# Allegro board 08_038702e.brd (continued)
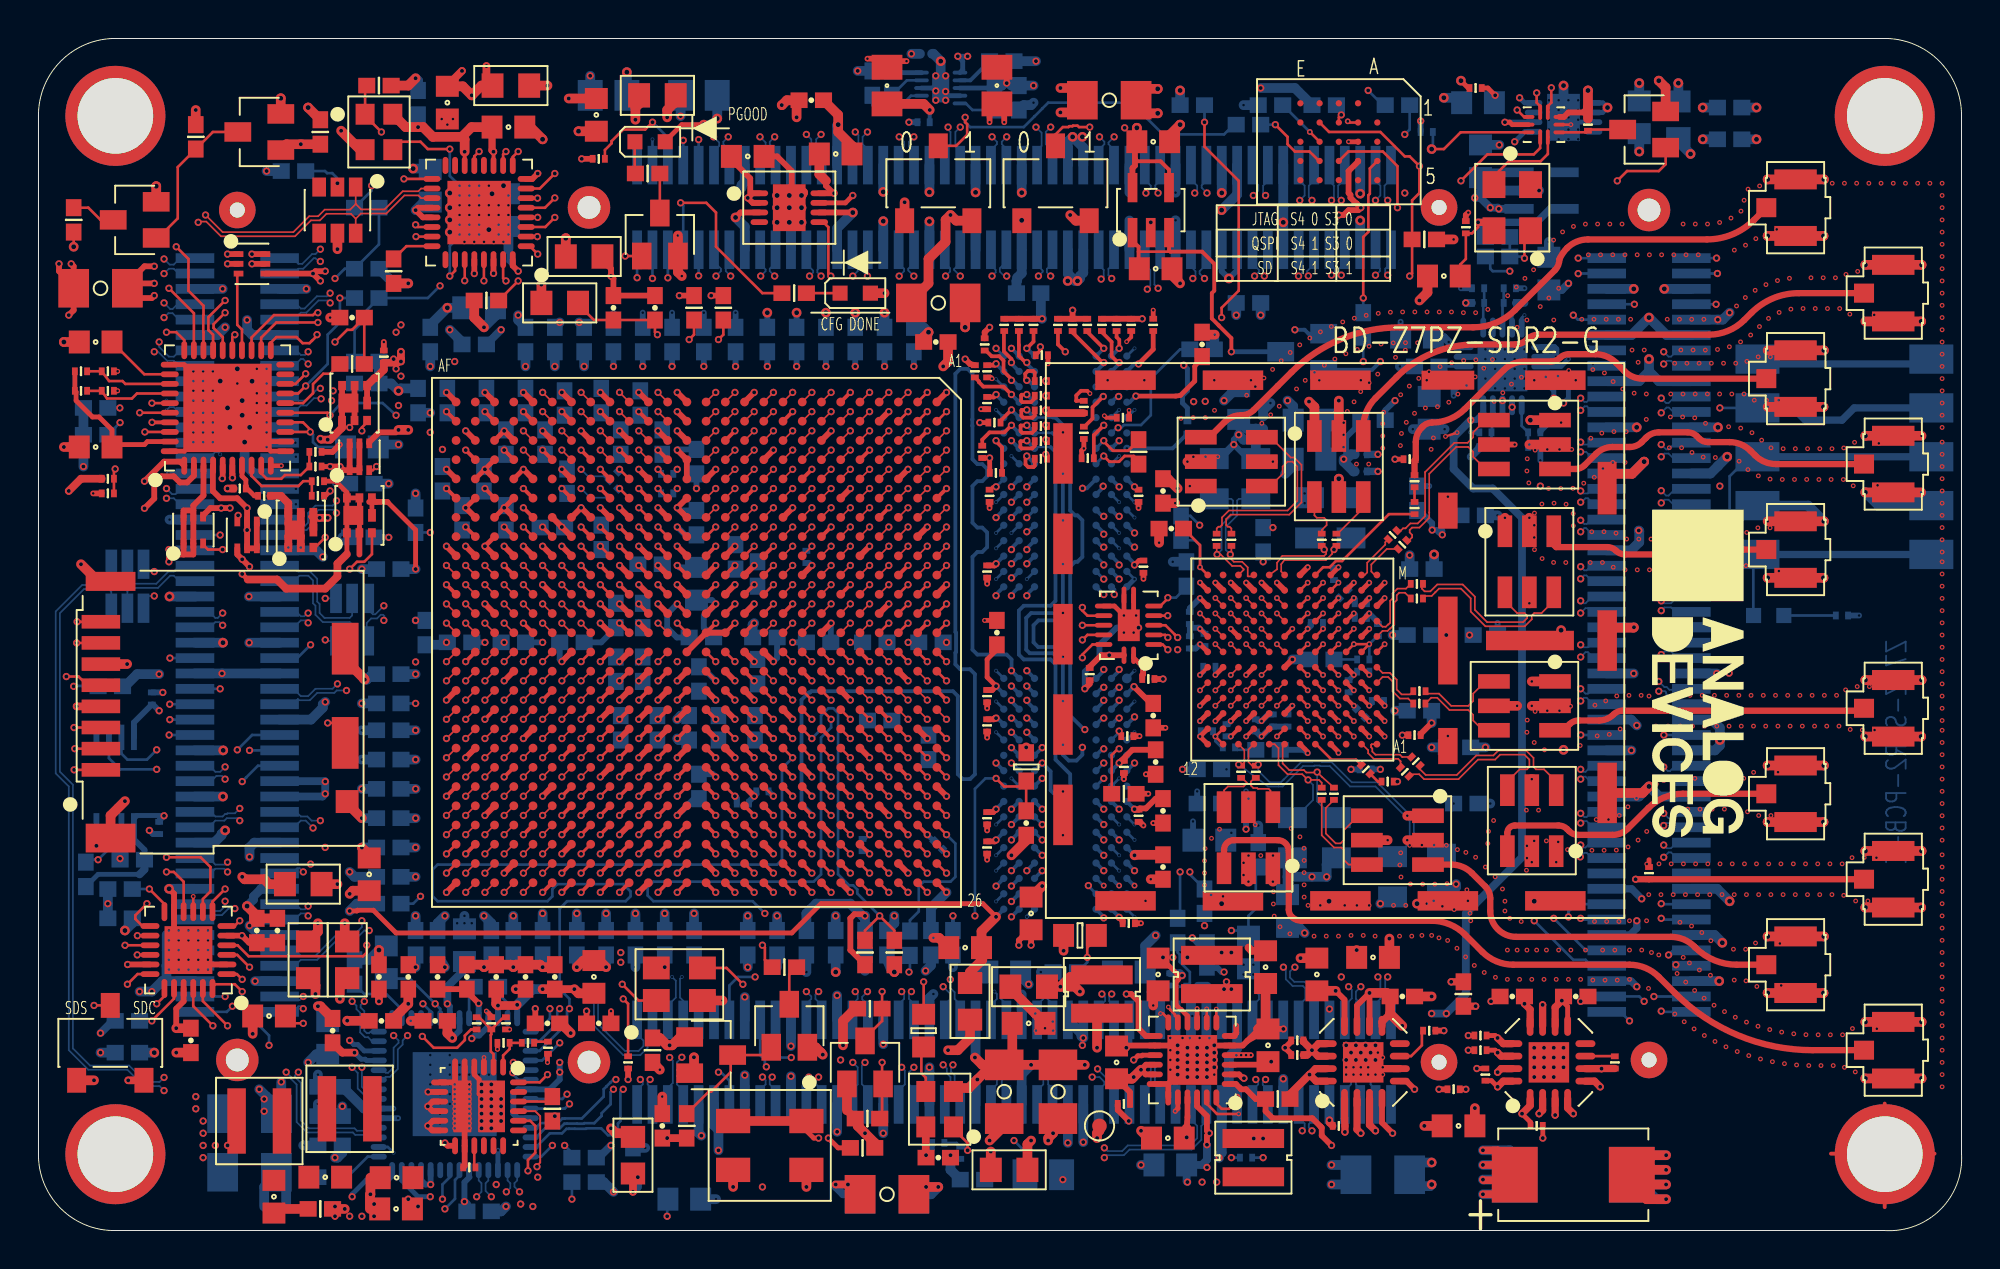
[diagram p0: board, top side]
## Routing (per net, layer and track width the routed paths; a pad name or vN(x,y) marks a point on that pad's centre or on a via; arc(x,y) is an arc through that point) (continued)

## Copper pours and planes (outline as drawn; the poured copper is in the pictures)
0.95V on TOP: 10.72,7.47 10.72,3.28 8.31,3.28 8.31,5.95 8.18,6.08 7.55,6.08 7.55,7.47
0.95V on BOTTOM: 10.34,7.47 10.34,2.01 7.55,2.01 7.55,7.47
0.95V on L9_POWER: 27.61,36.81 29.14,34.53 51.49,34.53 52.88,33.13 52.88,26.14 53.01,26.14 55.93,23.22 62.03,23.22 64.95,20.3 64.95,17.63 63.68,16.36 61.52,16.36 61.14,15.98 59.74,15.98 58.73,14.97 58.09,14.97 55.3,12.17 52.25,12.17 51.87,11.79 49.96,11.79 48.44,10.27 30.91,10.27 28.63,7.98 28.63,6.84 28.37,6.59 21.01,6.59 16.56,2.14 15.8,2.14 14.4,0.74 8.94,0.74 7.04,2.65 7.04,4.93 3.74,8.24 2.97,8.24 0.56,10.65 0.56,41 1.45,41.89 5.51,41.89 6.4,41 6.4,38.84 5.13,37.57 5.13,37.07 5.64,36.56 5.64,33.13 6.78,31.99 15.17,31.99 20.12,36.94 24.31,37.32 27.23,37.07 27.48,36.94 ; 1 cut-out
0.95V on L12_POWER: 6.53,0.62 6.28,1.25 6.28,5.06 4.5,6.84 1.58,6.84 0.56,7.86 0.56,51.8 1.96,53.19 6.53,53.19 8.31,51.42 8.31,34.78 5.77,32.24 5.77,18.65 6.66,17.76 16.56,17.76 18.98,15.35 31.42,15.35 34.34,12.43 37.39,12.43 41.2,8.62 53.01,8.62 53.77,9.38 53.77,11.28 52.88,12.17 51.23,12.17 50.98,12.43 50.98,13.44 51.23,13.7 56.82,13.7 57.58,14.46 57.58,16.49 61.27,20.17 63.68,20.17 63.74,20.11 81.65,20.11 83.87,17.89 83.87,1.76 82.73,0.62 16.56,0.62 15.93,1.25 15.17,1.25 14.53,0.62 ; 7 cut-outs
1.0V on TOP: 52,12.05 54.03,12.05 54.92,12.94 56.82,12.94 57.58,13.57 58.6,13.57 59.11,12.81 59.49,13.32 59.11,13.95 59.11,14.33 58.85,14.59 52.76,14.59 52,13.82
1.8V on TOP: 64.57,3.28 64.57,1.63 59.23,1.63 59.23,3.41 59.62,3.79 60.12,3.79 60.38,4.05 60.38,6.08 60.89,6.08 60.89,3.66 61.27,3.28
1.8V on L10_POWER: 58.47,12.68 58.47,2.78 58.98,2.27 62.41,2.27 65.08,4.93 67.49,4.93 68.38,4.05 68.38,1.63 68.76,1.25 78.03,1.25 80.44,3.66 80.44,6.46 78.54,8.36 75.87,8.36 75.62,8.11 75.62,6.84 75.36,6.59 72.06,6.59 70.92,7.73 70.92,10.4 69.65,11.67 66.35,11.67 63.93,14.08 59.87,14.08 ; 2 cut-outs
1.8V on L11_POWER: 13.64,13.95 15.8,13.95 15.8,5.44 16.05,5.19 19.74,5.19 23.17,8.62 67.24,8.62 67.24,9.51 71.17,9.51 71.81,10.14 71.81,12.43 72.95,13.57 83.24,13.57 84.13,12.68 84.13,1.63 83.11,0.62 18.34,0.62 13.64,5.32 ; 7 cut-outs
1.35V on TOP: 59.74,13.82 62.54,13.82 62.92,14.21 64.31,14.21 64.31,14.97 63.68,15.6 59.62,15.6 59.49,15.48 59.49,14.08
1.35V on L18_SIG: 30.15,1.63 30.15,3.41 50.22,3.41 51.11,4.3 51.11,10.52 52.88,12.3 52.88,14.84 53.14,15.09 59.74,15.09 59.87,14.97 62.16,14.97 62.54,14.59 62.54,13.95 62.28,13.7 61.39,13.7 60.76,13.06 60.76,1.89 59.87,1 34.34,1 33.83,1.51 32.06,1.51 31.55,1 30.79,1
3.3V on L11_POWER: 81.46,60.18 81.46,52.56 73.84,52.56 73.84,57 56.8,56.89 56.89,56.96 56.86,57.07 56.83,57.1 56.76,57.13 56.68,57.11 56.54,57.04 56.38,57.05 56.28,57.03 56.25,56.93 56.25,56.89 55.04,56.88 54.15,57.77 53.65,57.77 52.88,57 39.3,57 39.3,53.19 34.47,53.19 34.47,57 28.75,57 28.75,59.04 9.96,59.04 9.96,56.62 7.29,53.96 7.29,43.54 2.85,39.1 2.85,38.59 2.08,37.83 1.2,37.83 0.94,38.08 0.94,39.61 1.83,40.49 1.83,41.51 4.75,44.43 4.75,60.18 5.89,61.32 80.44,61.32 ; 2 cut-outs
GND on TOP: 15.04,3.28 15.04,0.62 17.71,0.62 18.21,1.12 18.21,2.9 19.61,4.3 21.77,4.3 21.77,4.81 21.26,4.81 21.26,7.22 20.12,7.22 18.85,5.95 18.85,5.19 17.71,4.05 15.67,4.05 15.17,3.41
GND on TOP: 89.32,33.14 88.96,33.18 88.62,33.29 88.33,33.23 88.03,33.22 82.51,33.22 81.8,33.31 81.14,33.6 78.85,33.6 78.42,33.65 78.01,33.81 77.02,34.43 76.63,35.54 76.63,37.19 76.68,37.57 76.8,37.94 76.4,38.53 76.25,39.22 76.25,39.98 76.77,41.24 78.03,41.76 79.61,41.76 79.62,41.77 80.64,42.45 81.84,42.69 81.97,42.69 81.51,42.96 81.1,43.31 80.78,43.63 80,43.63 79.35,43.35 78.65,43.25 77.44,43.25 75.54,41.35 74.63,40.65 73.56,40.21 73.56,40.11 73.56,40 73.55,39.89 73.02,38.64 71.77,38.13 71.46,38.13 70.65,38.33 70.02,38.88 69.65,38.76 69.27,38.71 68.51,38.71 67.25,39.23 66.73,40.49 66.73,42.14 66.88,42.87 67.32,43.47 67.52,43.85 67.76,44.21 67.11,43.77 66.53,43.26 65.82,42.55 65.82,42.55 64.56,41.29 63.84,40.77 63,40.49 62.38,39.49 61.27,39.1 59.62,39.1 58.36,39.62 57.84,40.87 57.84,41.64 58.36,42.89 59.62,43.41 60.3,43.41 61.12,44 62.08,44.31 63.78,46.01 67,48.16 70.79,48.91 74.6,48.91 75.04,49 75.41,49.25 77.22,51.06 77.26,51.18 77.31,51.3 77.66,51.92 78.11,52.47 79.24,53.22 80.57,53.48 86.76,53.48 87.17,53.54 87.55,53.7 88.07,54.95 89.32,55.47 90.37,55.47 91.62,54.94 92.14,53.69 92.14,52.7 91.62,51.44 90.37,50.92 90.3,50.92 88.65,49.94 86.76,49.6 80.87,49.6 80.61,49.05 80.22,48.57 80.19,48.53 86.86,48.53 87.11,48.58 87.32,48.72 87.71,49.11 89.46,50.28 91.53,50.69 93.37,50.69 93.86,50.94 94.4,51.02 95.45,51.02 96.7,50.5 97.22,49.24 97.22,48.25 96.7,46.99 95.45,46.47 94.4,46.47 93.86,46.56 93.37,46.8 91.53,46.8 91.09,46.74 90.68,46.55 91.73,45.94 92.14,44.8 92.14,43.81 91.62,42.55 90.37,42.03 90.29,42.03 90.34,41.98 90.39,41.93 90.52,41.8 93.37,41.8 93.86,42.05 94.4,42.13 95.45,42.13 96.7,41.61 97.22,40.35 97.22,39.36 96.7,38.1 95.45,37.58 94.4,37.58 93.86,37.67 93.37,37.91 90.34,37.91 89.02,38.18 87.9,38.93 87.77,39.06 86.81,39.06 86,39.19 85.27,39.57 84.68,39.57 83.79,39 82.75,38.8 82.15,38.8 81.76,38.41 81.33,38.07 80.84,37.82 80.89,37.65 80.93,37.48 81.59,37.48 82.28,37.39 82.93,37.1 87.59,37.1 87.91,37.24 88.24,37.32 88.75,37.59 89.32,37.69 90.37,37.69 91.62,37.16 92.14,35.91 92.14,34.92 91.62,33.66 90.37,33.14
GND on TOP: 94.66,7.1 94.12,7.19 93.63,7.43 92.51,7.43 87.89,8.35 83.98,10.97 83.13,11.82 83.06,11.86 82.98,11.88 76.94,11.88 75.33,12.2 73.96,13.11 73.06,14.02 72.89,14.13 72.7,14.17 65.93,14.17 65.63,14.18 65.33,14.23 65.33,14.71 63.47,16.57 63.33,16.57 62.83,16.32 62.28,16.24 61.52,16.24 60.26,16.76 59.74,18.01 59.74,19.66 59.86,20.3 60.2,20.86 61.11,21.87 62.41,22.24 64.7,22.24 66.47,21.51 67.21,19.73 67.21,18.05 70.01,18.05 69.93,18.35 69.9,18.65 69.9,19.41 70.42,20.67 71.68,21.19 73.33,21.19 73.81,21.12 74.25,20.93 74.38,20.91 74.51,20.88 74.61,21.22 74.77,21.54 74.95,21.93 75.21,22.26 75.44,22.48 76.01,22.87 76.69,23 79.62,23 79.97,22.97 80.3,22.87 80.63,22.73 80.85,22.52 81.76,22.52 82.6,23.35 84.04,24.32 85.75,24.66 88.55,24.66 89.04,24.9 89.58,24.99 90.62,24.99 91.88,24.46 92.4,23.21 92.4,22.22 91.88,20.96 90.62,20.44 89.58,20.44 89.04,20.52 88.55,20.77 85.75,20.77 85.53,20.73 85.35,20.6 84.95,20.21 93.63,20.21 94.12,20.46 94.66,20.54 95.7,20.54 96.96,20.02 97.48,18.76 97.48,17.77 96.96,16.51 95.7,15.99 94.66,15.99 94.12,16.08 93.63,16.32 87.53,16.32 87.63,16.23 87.73,16.14 87.79,16.08 88.14,15.85 88.55,15.77 89.04,16.01 89.58,16.1 90.62,16.1 91.88,15.57 92.4,14.32 92.4,13.33 91.88,12.07 90.62,11.55 90.59,11.55 91.54,11.38 92.51,11.32 93.63,11.32 94.12,11.57 94.66,11.65 95.7,11.65 96.96,11.13 97.48,9.87 97.48,8.88 96.96,7.62 95.7,7.1 ; 1 cut-out
GND on TOP: 96.57,7.35 96.57,11.92 91.75,11.92 91.75,15.6 96.57,15.6 96.57,20.81 92,20.81 92,24.62 96.57,24.62 96.57,33.51 91.87,33.51 91.87,37.32 96.57,37.32 96.57,42.4 92,42.4 92,46.21 96.57,46.21 96.57,51.16 91.75,51.16 91.75,55.23 99.62,55.23 99.62,7.35
GND on TOP: 78.03,23.86 76.77,24.38 76.25,25.64 76.25,26.4 76.77,27.65 78.03,28.18 78.88,28.18 79.46,28.39 80.08,28.47 80.82,28.47 81.55,28.85 82.36,28.98 93.21,28.98 93.77,29.31 94.4,29.43 95.45,29.43 96.7,28.91 97.22,27.65 97.22,26.66 96.7,25.41 95.45,24.89 94.4,24.89 93.98,24.94 93.58,25.09 82.82,25.09 82.01,24.71 81.14,24.58 81.11,24.58 80.48,24.05 79.68,23.86
GND on BOTTOM: 22.53,7.22 22.53,5.19 24.31,5.19 24.31,7.22
GND on BOTTOM: 11.61,0.36 11.61,6.84 13.01,6.84 13.01,4.81 14.78,4.81 14.78,2.01 18.34,2.01 18.34,0.36
GND on BOTTOM: 60.38,34.53 60.38,24.62 70.16,24.62 70.16,34.53 ; 1 cut-out
GND on L2_GND: 3.74,0.62 2.34,1 1.2,2.01 0.69,3.16 0.69,58.27 0.94,59.54 1.58,60.43 2.59,61.2 3.74,61.32 96.7,61.32 97.59,61.2 98.6,60.43 99.11,59.67 99.37,58.66 99.37,3.41 99.11,2.39 98.6,1.51 97.59,0.87 96.45,0.62 ; 12 cut-outs
GND on L3_SIG: 99.37,54.85 99.37,7.6 86.29,7.6 82.22,11.67 66.47,11.67 66.47,14.59 65.2,15.73 63.3,15.73 62.16,16.87 62.16,17.51 61.01,17.89 61.01,21.44 65.58,21.44 65.58,19.29 66.6,18.27 69.01,18.27 70.41,19.67 73.84,19.67 76.76,22.59 76.76,40.88 76.13,41.51 73.33,41.51 72.06,40.24 72.06,38.72 70.66,38.72 68.76,40.62 59.36,40.62 59.36,42.02 62.16,43.42 66.35,47.61 75.49,47.61 77.78,49.89 77.78,52.43 80.19,54.85 ; 1 cut-out
GND on L5_GND: 3.74,0.62 2.21,1 1.07,2.14 0.69,3.28 0.69,58.91 1.32,60.31 2.34,61.2 3.74,61.32 96.57,61.32 97.59,61.2 98.6,60.43 99.11,59.67 99.37,58.53 99.37,3.41 99.11,2.39 98.6,1.51 97.59,0.87 96.45,0.62 ; 6 cut-outs
GND on L8_GND: 3.74,0.62 2.21,1 1.07,2.14 0.69,3.28 0.69,58.91 1.32,60.31 2.34,61.2 3.74,61.32 96.57,61.32 97.59,61.2 98.6,60.43 99.11,59.67 99.37,58.53 99.37,3.41 99.11,2.39 98.6,1.51 97.59,0.87 96.45,0.62 ; 6 cut-outs
GND on L13_GND: 3.74,0.62 2.21,1 1.07,2.14 0.69,3.28 0.69,58.91 1.32,60.31 2.34,61.2 3.74,61.32 96.57,61.32 97.59,61.2 98.6,60.43 99.11,59.67 99.37,58.53 99.37,3.41 99.11,2.39 98.6,1.51 97.59,0.87 96.45,0.62 ; 6 cut-outs
GND on L16_GND: 3.74,0.62 2.21,1 1.07,2.14 0.69,3.28 0.69,58.91 1.32,60.31 2.34,61.2 3.74,61.32 96.57,61.32 97.59,61.2 98.6,60.43 99.11,59.67 99.37,58.53 99.37,3.41 99.11,2.39 98.6,1.51 97.59,0.87 96.45,0.62 ; 6 cut-outs
GND on L19_GND: 3.74,0.62 2.21,1 1.07,2.14 0.69,3.28 0.69,58.91 1.32,60.31 2.34,61.2 3.74,61.32 96.57,61.32 97.59,61.2 98.6,60.43 99.11,59.67 99.37,58.53 99.37,3.41 99.11,2.39 98.6,1.51 97.59,0.87 96.45,0.62 ; 8 cut-outs
VCC-1P35 on BOTTOM: 47.55,61.58 47.55,60.18 48.57,60.18 48.57,61.58
VCC-1P35 on L12_POWER: 48.95,14.59 56.82,14.59 56.82,16.62 59.23,19.03 59.23,58.02 55.81,61.45 47.55,61.45 45.39,59.29 38.66,59.29 38.15,58.78 38.15,57.77 38.66,57.26 42.09,57.26 44.63,54.72 48.19,54.72 48.95,53.96 ; 1 cut-out
VCC-3P3V on BOTTOM: 42.98,59.93 42.98,61.45 44.88,61.45 45.39,60.69 46.15,60.69 46.15,60.18 45.14,60.18 44.88,59.93
VCC-3P3V on L3_SIG: 10.34,54.21 10.34,59.93 10.85,60.43 22.91,60.43 22.91,58.53 15.04,58.53 15.04,54.21
VCC-3P3V on L6_SIG: 21.39,58.66 21.39,61.45 46.03,61.45 46.03,59.8 23.42,59.8 23.42,58.66
VCC-3P3V-IO on L11_POWER: 5.01,31.1 26.6,31.1 26.6,37.83 31.93,37.83 31.93,27.41 30.91,26.4 16.18,26.4 15.8,26.02 11.74,26.02 11.61,25.89 11.61,11.16 7.61,7.16 5.2,7.16 5.13,7.22 2.97,7.22 2.34,7.86 2.34,11.41 6.02,11.41 6.78,12.17 6.78,13.19 6.4,13.57 4.5,13.57 3.1,14.97 3.1,17.63 5.01,19.54
VCC-3P3V-IO on L12_POWER: 38.28,12.17 38.28,12.94 34.72,12.94 28.25,19.41 28.25,24.87 26.34,26.78 26.34,32.87 27.87,34.4 27.87,37.19 33.58,37.19 33.58,41.64 33.33,41.89 11.86,41.89 11.23,42.53 11.23,54.85 26.47,54.85 26.47,59.67 31.93,59.67 31.93,54.85 33.71,54.85 33.71,50.65 46.03,50.65 46.03,47.73 31.42,47.73 31.42,52.69 14.78,52.69 13.26,51.16 13.26,49.13 14.59,47.8 19.17,47.8 23.55,43.42 35.74,43.42 35.74,34.27 29.52,28.05 29.52,26.14 30.15,25.51 30.15,20.81 35.61,15.35 38.53,15.35 39.68,14.21 40.44,14.21 42.6,12.05 42.6,9.13 41.33,9.13 ; 1 cut-out
VCCO-DDR on TOP: 48.95,2.9 48.95,6.59 53.39,6.59 53.39,5.19 50.09,5.19 50.09,2.9
VCCO-DDR on BOTTOM: 48.69,4.93 48.69,2.27 49.71,2.27 49.71,4.93
VCCO-DDR on L10_POWER: 52.25,15.73 50.09,15.73 48.44,14.08 48.44,5.95 49.2,5.19 49.2,3.54 49.46,3.28 52.76,3.28 53.01,3.54 53.01,5.06 51.11,6.97 51.11,12.55 52.63,14.08 52.63,15.35
VCCO-DDR on L11_POWER: 25.07,14.46 22.53,14.46 18.34,18.65 18.34,24.62 40.69,24.62 40.69,18.27 45.39,13.57 50.22,13.57 50.22,16.36 52.76,16.36 52.76,10.27 29.26,10.27
VCCO_1P8V on L12_POWER: 38.03,26.52 38.03,42.91 37.01,43.92 26.98,43.92 25.83,45.07 22.4,45.07 19.1,48.37 14.66,48.37 13.64,49.38 13.64,50.02 14.78,51.16 20.75,51.16 22.91,49 27.36,49 29.52,46.84 47.04,46.84 48.31,45.57 48.31,34.4 48.44,34.4 48.44,26.52
VCCO_12 on TOP: 14.15,37.57 14.15,36.43 15.17,36.43 15.17,37.57
VCCO_12 on L9_POWER: 18.85,15.73 18.85,30.72 21.13,30.72 21.13,34.02 23.29,34.4 23.93,34.78 24.44,34.78 26.34,34.02 26.34,32.37 24.94,30.97 24.94,28.94 26.47,27.41 26.47,26.4 23.55,23.48 23.55,17.13 26.72,17.13 26.72,16.11 26.34,15.73
VCCO_12 on L11_POWER: 13.26,32.87 13.26,37.83 17.83,37.83 17.83,36.3 25.45,36.3 25.71,36.05 25.71,31.73 25.45,31.48 18.21,31.48 16.82,32.87
VCCO_13 on TOP: 17.2,38.34 17.2,36.94 18.34,36.94 19.1,36.18 19.1,31.73 18.34,30.97 18.34,17 19.36,15.98 21.39,15.98 21.77,16.36 21.77,16.62 21.52,16.87 19.48,16.87 19.1,17.25 19.1,24.75 20.12,25.76 20.12,26.27 19.1,27.29 19.1,30.21 20.12,31.22 20.12,35.8 19.99,35.92 19.99,36.94 18.59,38.34
VCCO_13 on L12_POWER: 18.09,16.62 18.09,18.27 6.91,18.27 6.21,18.97 6.21,22.65 12.75,29.19 12.75,37.19 13.39,37.83 15.42,37.83 15.67,37.57 15.67,36.56 16.82,35.41 21.01,35.41 22.02,34.4 22.02,25.38 27.1,25.38 27.61,24.87 27.61,17 26.47,15.86 18.85,15.86
VCCO_33_34 on TOP: 19.61,41.89 19.61,40.49 17.07,40.49 17.07,41.89
VCCO_33_34 on L11_POWER: 40.95,18.65 40.95,29.83 38.41,29.83 38.15,30.08 38.15,31.99 32.56,31.99 32.56,38.34 18.98,38.34 17.32,39.99 17.32,42.27 15.04,44.56 15.04,46.72 46.92,46.72 47.42,46.21 47.42,44.81 48.19,44.05 48.19,35.67 52.12,31.73 56.82,31.73 56.82,28.05 49.84,28.05 49.84,23.73 47.68,21.57 44.76,21.57 44.25,21.06 44.25,19.92 45.01,19.16 49.2,19.16 49.84,18.52 49.84,14.08 45.52,14.08
VCCPCOM-1P8V on L10_POWER: 6.66,1.76 6.66,13.82 1.07,13.82 1.07,29.95 15.17,29.95 15.24,37.51 15.29,37.56 15.33,37.59 15.36,37.64 15.33,37.68 15.32,37.69 15.28,37.7 15.24,37.7 15.17,42.53 15.29,42.65 15.29,43.03 15.17,43.29 11.99,46.46 5.39,46.46 5.39,51.92 10.59,51.92 14.66,55.99 14.66,60.18 48.31,60.18 49.46,61.32 53.14,61.32 54.28,60.18 67.36,60.18 69.52,58.02 69.52,50.15 65.46,46.08 61.39,46.08 60.38,47.1 60.38,49.77 58.6,51.54 32.06,51.54 30.91,50.4 30.91,46.34 33.07,44.18 33.07,37.19 36.88,37.19 36.88,32.87 33.07,32.87 33.07,27.41 50.09,27.41 51.87,25.64 51.87,24.87 48.06,21.06 48.06,15.6 47.93,15.6 47.93,5.82 48.82,4.93 48.82,2.9 47.93,2.01 40.69,2.01 40.69,15.6 31.17,15.6 31.17,18.4 22.91,18.4 22.91,13.82 15.42,13.82 14.53,12.94 14.53,10.65 15.93,9.25 15.93,1.76 ; 5 cut-outs
VCCPINT on L2_GND: 51.11,11.16 51.11,10.01 51.87,9.25 53.39,9.25 53.39,11.16
VCCPINT on L10_POWER: 51.74,10.4 53.01,10.4 53.52,9.89 53.52,9.51 54.03,9 54.03,8.11 57.84,4.3 57.84,2.01 58.09,1.76 62.79,1.76 65.58,4.55 67.24,4.55 67.74,4.05 67.74,1.63 66.73,0.62 56.69,0.62 55.68,1.63 55.68,4.05 53.27,6.46 53.27,8.49 52.88,8.87 51.87,8.87 51.49,9.25 51.49,10.14
VCCPINT on L12_POWER: 45.9,9.13 44.76,10.27 44.25,10.27 43.87,10.65 43.87,12.43 41.33,14.97 39.55,14.97 38.79,15.73 36.25,15.73 34.72,17.25 34.72,24.49 30.53,24.49 30.53,25.76 29.9,26.4 29.9,26.91 30.53,27.54 37.52,27.54 37.52,26.4 37.77,26.14 37.77,20.17 40.69,17.25 48.44,17.25 48.44,14.21 48.82,13.82 48.82,11.67 52.5,11.67 53.39,10.78 53.39,9.76 52.76,9.13
VDD_INTERFACE on L10_POWER: 61.9,18.65 64.44,16.11 70.28,16.11 72.32,14.08 75.11,14.08 75.11,6.97 73.71,6.97 72.19,8.49 72.19,10.78 70.92,12.05 69.78,12.05 68.38,13.44 65.08,13.44 63.93,14.59 61.52,14.59 60,16.11 60,22.21 58.98,23.22 58.09,23.22 56.44,24.87 56.44,32.49 59.87,32.49 60.89,31.48 60.89,30.72 59.62,29.45 59.62,25.76 60,25.38 61.77,25.38 62.28,24.87 62.28,23.6 61.9,23.22 ; 2 cut-outs
VDDA_GPO_PWR on L10_POWER: 86.54,46.46 86.54,57.26 80.7,57.26 80.7,60.18 88.32,60.18 88.32,46.46
VIN on TOP: 19.1,0.62 18.98,0.74 18.98,3.41 21.13,3.41 21.77,2.78 23.17,2.78 23.17,3.66 23.04,3.92 23.04,4.68 23.17,4.81 24.31,4.81 24.56,5.06 24.56,5.32 25.33,5.32 25.45,5.19 25.45,2.78 25.96,2.39 25.96,0.62
VIN on TOP: 16.94,42.78 16.94,44.43 17.58,44.43 17.58,44.69 18.34,44.69 18.34,45.96 19.61,45.96 19.61,42.78
VIN on L9_POWER: 29.52,8.24 31.04,9.76 48.69,9.76 50.09,11.16 52.76,11.16 53.52,11.92 55.81,11.92 58.6,14.71 58.98,14.71 59.87,15.6 61.27,15.6 61.65,15.98 63.93,15.98 67.74,19.79 70.92,19.79 74.73,23.6 74.73,43.67 73.46,44.94 52.25,44.94 51.49,45.7 20.12,45.7 19.61,45.19 19.61,43.42 18.09,41.89 16.82,41.89 16.05,42.65 16.05,47.99 25.71,57.64 43.36,57.64 44.5,56.5 48.19,56.5 49.33,57.64 58.85,57.64 59.49,57 59.49,48.5 59.74,48.24 77.14,48.24 79.3,46.08 79.3,13.7 77.4,11.79 68.38,11.79 64.7,8.11 64.7,1.63 29.14,1.63 27.99,0.62 18.21,0.62 18.09,0.74 18.09,2.9 21.01,5.82 21.39,5.82 21.52,5.7 21.52,5.19 21.64,5.06 23.93,5.06 24.06,5.19 24.06,5.7 24.18,5.82 27.1,5.82 27.48,6.2 28.5,6.2 29.52,7.22 ; 4 cut-outs
1P3_SUPPLY_A on L11_POWER: 63.68,9 63.68,19.54 66.47,19.54 69.78,22.84 69.78,23.35 69.01,24.11 69.01,25.51 70.16,26.65 70.16,27.29 70.41,27.54 74.35,27.54 74.86,28.05 74.86,29.7 74.47,30.08 70.66,30.08 70.16,30.59 70.16,31.35 70.54,31.73 74.09,31.73 74.86,32.49 74.86,33.64 74.09,34.4 70.92,34.4 70.54,34.78 70.54,36.81 74.73,36.81 78.03,33.51 78.03,21.95 70.92,14.84 70.92,11.92 71.17,11.92 71.17,10.52 71.05,10.4 66.73,10.4 66.6,10.27 66.6,9 ; 2 cut-outs
1P3_SUPPLY_B on BOTTOM: 66.47,40.37 66.47,39.73 65.58,38.84 64.82,38.84 64.7,38.72 64.7,37.57 64.82,37.45 65.58,37.45 65.84,37.7 68.63,37.7 68.89,37.95 68.89,38.72 68.51,39.1 68.51,39.99 67.87,40.62 66.73,40.62
1P3_SUPPLY_B on L10_POWER: 75.62,8.74 75.62,14.84 72.44,14.84 72.44,14.97 70.92,16.49 64.82,16.49 62.28,19.03 62.28,22.08 68.89,22.08 70.66,23.86 70.66,25.89 70.92,26.14 74.86,26.14 75.36,26.65 75.36,29.45 74.73,30.08 72.95,30.08 72.7,30.33 72.7,34.91 70.28,37.32 64.7,37.32 64.31,36.94 64.31,34.53 64.06,34.27 61.39,34.27 59.62,36.05 59.62,43.42 60.12,43.92 70.92,43.92 74.35,40.49 74.35,36.3 76.76,33.89 80.19,33.89 80.19,14.84 79.68,14.84 79.68,10.14 77.4,10.14 77.4,8.74 ; 1 cut-out
1P3_SUPPLY_B on L19_GND: 64.7,38.72 64.7,37.45 66.22,37.45 66.22,38.72
JX_MGTAVCC on TOP: 8.18,37.45 8.18,34.14 5.89,34.14 5.89,36.18 7.16,37.45
JX_MGTAVCC on L11_POWER: 4.24,13.19 5.89,13.19 6.15,12.94 6.15,12.3 5.77,11.92 1.2,11.92 0.81,12.3 0.81,33 3.74,35.92 6.91,35.92 7.29,35.54 7.29,34.91 2.59,30.21 2.59,14.84
JX_MGTAVTT on TOP: 10.85,37.7 10.85,35.29 11.86,35.29 11.86,37.7
JX_MGTAVTT on L4_SIG: 10.59,37.7 10.59,36.3 10.85,36.05 11.23,36.05 11.36,36.18 11.36,37.45 10.97,37.83 10.72,37.83
JX_VCCO_12 on TOP: 12.63,37.57 12.63,34.53 13.77,34.53 13.77,37.57
JX_VCCO_12 on L9_POWER: 16.82,60.31 63.17,60.31 64.82,58.66 64.7,50.4 63.17,48.88 60.63,48.88 60,49.51 60,58.15 49.2,58.15 48.19,57.13 44.63,57.13 43.61,58.15 25.33,58.15 13.77,46.59 13.77,37.83 14.66,36.94 14.66,34.91 14.4,34.65 12.75,34.65 11.23,36.18 11.23,54.72
JX_VCCO_13 on TOP: 15.8,38.34 15.8,35.16 16.94,35.16 16.94,38.34
JX_VCCO_33_34 on TOP: 14.66,39.35 14.66,40.11 16.05,40.11 16.05,41.26 16.82,41.26 16.82,39.35
JX_VCCO_33_34 on L14_SIG: 11.36,0.49 11.23,0.62 11.23,13.95 4.24,13.95 1.07,17.13 1.07,35.41 2.47,36.81 14.91,36.81 15.42,37.32 15.42,38.34 14.28,39.48 14.28,40.37 16.94,40.37 16.94,33.13 13.26,33.13 10.59,30.46 6.28,30.46 3.35,27.54 3.35,22.71 2.34,21.7 2.34,17.76 8.94,17.76 13.01,13.7 13.01,11.28 13.39,9.51 13.39,9 20.37,2.01 58.85,2.01 61.27,4.43 61.27,7.22 63.04,7.22 63.04,0.62 62.92,0.49 ; 1 cut-out
JX_VCCO_33_34 on L14_SIG: 14.91,40.37 14.91,39.35 16.94,39.35 16.94,40.37
JX_VIN on TOP: 16.56,44.18 16.56,41 14.66,41 14.66,44.18
JX_VIN on BOTTOM: 53.27,11.92 53.27,4.55 54.54,4.55 54.54,11.92
JX_VIN on BOTTOM: 53.39,57 53.39,49 54.54,49 54.54,52.31 55.04,52.81 55.04,53.7 54.54,54.21 54.54,57
JX_VIN on L10_POWER: 53.77,17.89 53.77,9.63 54.28,9.13 55.93,9.13 57.08,10.27 57.08,18.78 59.62,21.32 59.62,22.08 59.11,22.59 58.47,22.59
JX_VIN on L11_POWER: 57.84,21.44 57.84,38.72 62.03,38.72 62.03,50.02 55.3,50.02 55.3,49.77 54.54,49 53.52,49 52.38,50.15 48.69,50.15 45.65,47.1 14.91,47.1 14.53,46.72 14.53,44.56 16.56,42.53 16.56,39.22 15.8,38.46 11.99,38.46 11.48,38.97 11.48,52.05 14.02,54.59 31.93,54.59 33.96,52.56 39.55,52.56 43.36,56.37 52.63,56.37 53.65,57.39 53.9,57.39 54.79,56.5 66.09,56.5 66.09,50.02 65.97,50.02 65.97,34.65 60,34.65 60,21.44 ; 2 cut-outs
JX_VIN on L17_SIG: 34.85,3.92 34.85,4.17 35.23,4.55 35.61,4.55 35.8,4.36 40.88,4.36 41.45,3.79 51.74,3.79 53.14,5.19 54.41,5.19 54.66,4.93 54.66,2.9 53.77,2.01 41.2,2.01 39.93,3.28 35.49,3.28 ; 1 cut-out
MGTAVCC on L12_POWER: 8.94,34.91 12.12,34.91 12.12,37.32 13.01,38.21 15.8,38.21 16.18,37.83 16.18,36.68 16.94,35.92 21.13,35.92 22.15,34.91 27.23,34.91 27.23,37.45 27.87,38.08 32.82,38.08 32.82,41.38 8.94,41.38 ; 1 cut-out
MGTAVTT on L9_POWER: 10.34,35.29 11.23,35.29 12.37,34.14 14.78,34.14 15.04,34.4 15.04,35.03 18.47,38.46 18.47,41.51 19.99,43.03 19.99,44.94 20.37,45.32 23.93,45.32 25.33,43.92 31.55,43.92 31.55,37.32 25.45,37.32 24.69,37.57 23.67,37.57 19.99,37.32 19.48,36.81 16.56,34.02 15.42,32.87 11.99,32.87 10.09,35.03 ; 1 cut-out
PG_1P8V on L17_SIG: 37.39,2.78 39.68,2.78 40.82,1.63 66.22,1.63 66.73,2.14 66.73,4.68 67.74,5.7 71.43,5.7 71.43,2.65 71.55,2.65 72.7,1.51 77.9,1.51 79.05,2.65 79.05,6.71 80.57,6.71 80.57,1.63 79.55,0.62 37.39,0.62 37.01,1 37.01,2.39
PHY1_1V8 on L15_SIG: 10.09,1.76 10.09,11.03 11.99,12.94 11.99,13.7 14.53,16.24 14.53,18.4 16.69,18.4 16.69,12.94 13.9,12.94 13.26,12.3 13.26,10.52 13.77,10.01 13.77,7.73 13.26,7.22 12.5,7.22 11.99,6.71 11.99,6.08 12.5,5.57 14.4,5.57 17.32,8.49 25.83,8.49 26.47,9.13 27.61,9.13 31.04,5.7 31.04,1.76
PHY1_AVDD_1V8 on L12_POWER: 13.13,8.36 13.13,10.65 14.85,12.36 23.1,12.36 24.56,10.9 24.56,5.06 24.31,4.81 16.69,4.81 ; 1 cut-out
PHY1_AVDD_3V3 on L11_POWER: 14.28,19.03 14.28,14.33 16.18,14.33 16.18,5.82 16.44,5.57 19.61,5.57 19.86,5.82 19.86,11.16 20.5,11.79 24.82,11.79 25.71,12.68 25.71,13.44 25.07,14.08 20.37,14.08 19.86,14.59 19.86,15.35 18.47,15.35 18.47,19.03
PHY1_VDD_3V3 on L10_POWER: 15.93,13.32 14.91,12.3 14.91,11.03 16.94,9 28.37,9 29.39,10.01 29.39,11.67 27.74,13.32
SW2 on L2_GND: 62.16,8.87 62.16,9.76 63.3,9.76 63.68,10.14 63.68,11.03 63.3,11.41 62.16,11.41 61.65,11.92 61.65,12.17 61.52,12.55 61.65,13.19 62.03,13.19 63.04,12.17 64.44,12.17 64.44,9.76 63.55,8.87
UNNAMED_9_ADP238X_I1088_SW1 on TOP: 16.94,4.68 16.94,7.86 18.34,9.25 22.28,9.25 22.28,8.11 21.26,8.11 21.26,7.6 19.99,7.6 19.99,7.47 19.74,7.22 19.23,7.22 18.47,6.46 18.47,5.44 17.71,4.68
UNNAMED_9_ADP238X_I1088_SW1 on L2_GND: 21.39,7.86 21.39,5.06 22.66,5.06 22.66,7.86
UNNAMED_9_ADP238X_I1088_SW1 on L3_SIG: 20.75,9.25 20.75,3.03 22.66,3.03 22.66,9.25
UNNAMED_9_ADP238X_I1088_SW1 on L4_SIG, L6_SIG, L7_SIG: 20.75,9 20.75,4.05 22.79,4.05 22.79,9
UNNAMED_9_ADP238X_I1088_SW1 on L10_POWER: 20.25,8.36 20.25,4.17 22.53,4.17 22.53,8.36
UNNAMED_9_CAP_I1113_N1 on TOP: 11.36,4.17 12.12,4.93 12.12,7.35 15.42,7.35 15.42,4.68 14.4,3.66 14.4,2.39 11.61,2.39 11.36,2.65
VTT_0P75 on TOP: 49.2,61.07 51.23,61.07 52.12,60.18 52.12,58.27 52.38,58.02 52.38,55.1 53.27,54.21 53.27,51.8 56.69,48.37 56.69,47.35 49.84,47.35 49.71,47.23 49.71,46.84 49.2,46.84
VTT_0P75 on BOTTOM: 48.31,59.29 48.82,59.04 51.87,59.04 51.87,60.18 49.33,60.18 48.31,59.42
VTT_0P75 on L11_POWER: 47.8,45.07 47.8,48.5 48.95,49.64 51.87,49.64 52.88,48.62 59.11,48.62 60.12,49.64 61.14,49.64 61.14,40.37 59.87,39.1 49.33,39.1 48.57,39.86 48.57,44.3

## Text on the board
BOTTOM: Z7PZ-SDR2-PCB-E
User.Comments: SECONDARY SIDE | ASSEMBLY | 3 | 1 | SOLDER BLOB TO CONNECT PINS 1 & 2 OF JP1 THRU JP4
Ref Des/Silkscreen Top: SDS | SDC | PGOOD | CFG DONE | JTAG  S4 0 S3 0 | QSPI  S4 1 S3 0 | SD   S4 1 S3 1 | 0 | 1 | BD-Z7PZ-SDR2-G
PAGE_OUTLINE: B | C | D | E | ENGINEERING CHANGES | 06MAR15 | 25JUN15 | 23OCT15 | 13JAN16 | 27SEP16 | C.E. | EVAL BOARD | 02-038702
DIMENSION: 15.    INDICATED VIAS TO BE NON-CONDUCTIVE EPOXY FILLED, AND GROUND FLUSH PRIOR | TO OVER PLATING. | SEE NOTE 15 | 4 PLACES
User.8: LAYER 2 GND | 08-      -07
User.9: LAYER 3 SIGNAL | 08-      -08
User.10: 16.    BOARDS TO BE PANELIZED AND SHIPPED INTACT. | IMMERSION GOLD OVER 100-200 MICROINCHES OF ELECTROLESS NICKEL. | 14.    FINISH: SURFACES SHALL HAVE ENIG FINISH PLATED WITH 2-6 MICROINCHES OF
User.11: LAYER 4 SIGNAL | 08-      -09
User.12: LAYER 5 GND | 08-      -10
User.14: LAYER 6 SIGNAL | 08-      -11
User.15: LAYER 7 SIGNAL | 08-      -12
User.16: LAYER 8 GND | 08-      -13
User.17: LAYER 9 POWER | 08-      -14
User.18: INTERNAL SIGNAL (LAYER 14) | INTERNAL SIGNAL (LAYER 15) | GROUND PLANE    (LAYER 16) | INTERNAL SIGNAL (LAYER 17) | INTERNAL SIGNAL (LAYER 18) | GROUND PLANE    (LAYER 19)
User.24: LAYER 10 POWER | 08-      -15
User.25: LAYER 11 POWER | 08-      -16
User.26: LAYER 12 POWER | 08-      -17
User.27: LAYER 13 GROUND | 08-      -18
User.28: LAYER 14 SIGNAL | 08-      -19
User.29: LAYER 15 SIGNAL | 08-      -20
User.30: LAYER 16 GND | 08-      -21
User.31: LAYER 17 SIGNAL | 08-      -22
User.32: LAYER 18 SIGNAL | 08-      -23
User.33: LAYER 19 GND | 08-      -24
User.34: LAYER 20 GND | 08-      -25
User.35: LAYER 21 SIG | 08-      -26
User.36: LAYER 22 SIG | 08-      -27
User.37: LAYER 23 GND | 08-      -28
User.39: SECONDARY SIDE
User.45: 3 | 4 | 2 | FIGURE | SIZE | 5.0 | 6.0 | 8.0 | 10.0 | 31.0 | 47.0 | 155.0 | PLATED | NON-PLATED | FINISHED HOLES IN MILS | ALL UNITS ARE IN MILS | DRILLED HOLES LAYER 1 TO LAYER 2 | DRILLED HOLES LAYER 19 TO LAYER 20 | DRILLED HOLES LAYER 2 TO LAYER 19 | QTY | 125 | 168 | 239 | 944 | 1845 | 158 | SEE NOTE 15 | TOLERANCE/NOTES
